# Allegro board A733_PRO2_AXP318_LPDDR4_4X_200BALL_32X1_V1_1.brd (continued)
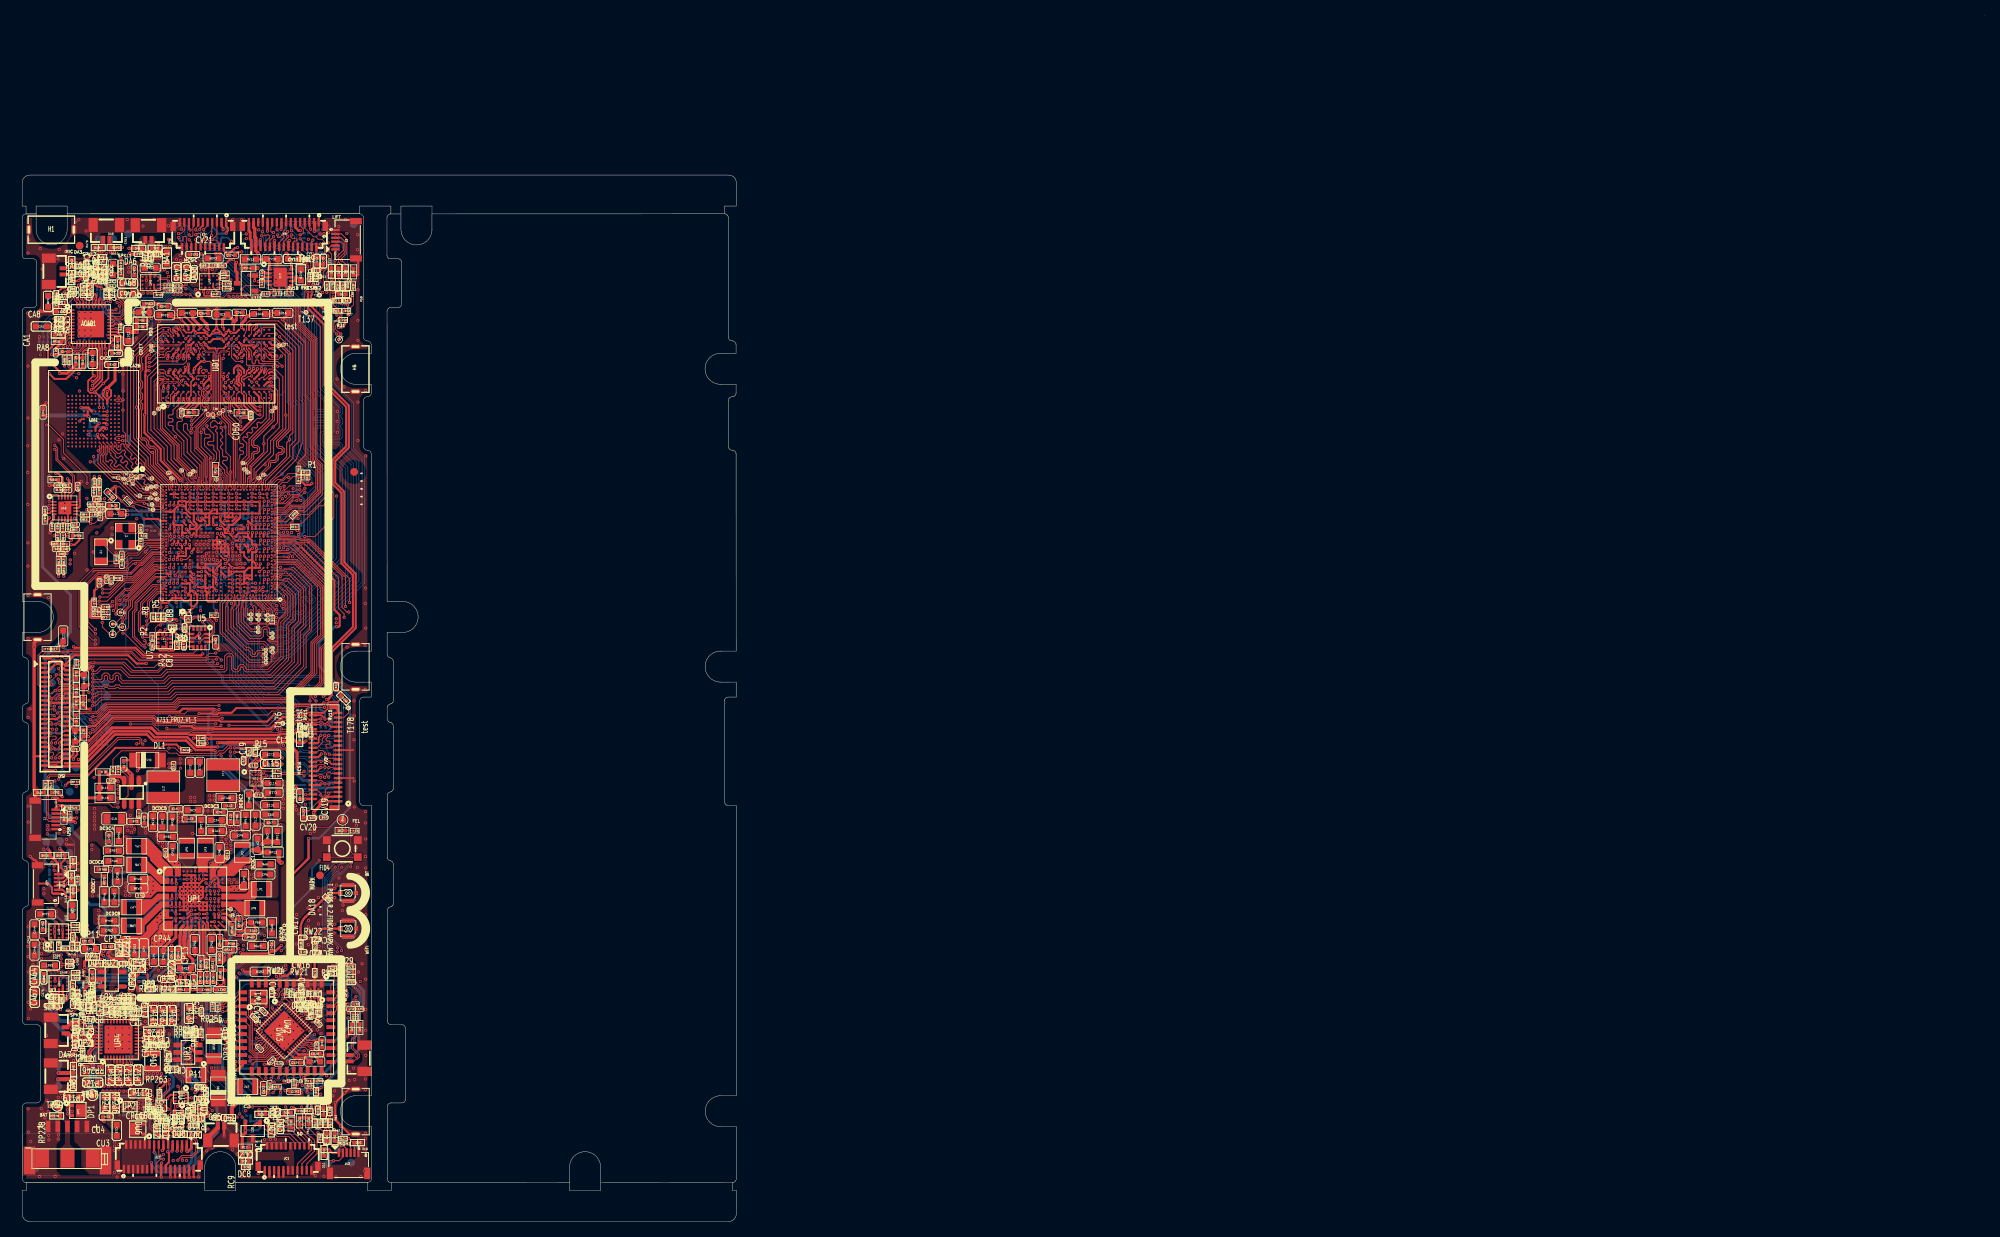
[diagram p0: board, top side]
## Routing (per net, layer and track width the routed paths; a pad name or vN(x,y) marks a point on that pad's centre or on a via; arc(x,y) is an arc through that point) (continued)
CPUS-TX: length 64.3
  TOP w0.076: 17.04,84.31 17.44,84.31 17.53,84.4 U1.L36
  TOP w0.102: UU1.4 12.71,30.31 12.33,29.93 v1(12.16,29.93) 12.16,29.77 11.9,29.5 11.9,29.4 11.39,28.89 RU7.1 ; v1(12.59,80.14) 12.69,80.23 12.69,80.25 13.29,80.85 13.58,80.85 17.04,84.31
  L4 w0.102: v1(12.16,29.93) 12.07,29.93 11.92,30.09 11.92,35.05 11.66,35.32 11.66,37.67 11.29,38.04 11.29,41.08 11.11,41.26 11.11,41.28 10.99,41.4 10.99,48.37 12.14,49.52 12.14,52.57 13.33,53.76 13.33,56.5 14.28,57.45 14.28,57.97 14.22,58.04 14.22,62.25 14.57,62.61 14.57,78.14 12.59,80.12 v1(12.59,80.14)
  BOTTOM w0.102: TP43.1 12.59,80.48 v1(12.59,80.14)
CPUX-RX: length 4.9
  TOP w0.102: U1.1W3 30.62,90.77 v1(30.71,90.85)
  BOTTOM w0.102: v1(30.71,90.85) 30.71,91.77 31.2,92.26 32.25,92.26 TP38.1 32.43,92.95 RA4.2
CPUX-TCK: length 128.6
  TOP w0.076: U1.AE2 32.17,90.02 32.4,90.24 32.69,90.24 32.99,89.94 34.28,89.94 34.58,90.23 34.67,90.23
  TOP w0.102: R57.2 39.7,120.17 39.7,119.2 40.04,118.86 40.04,118.38 40.7,117.71 40.7,117.7 R60.2 40.99,117.41 40.99,116.79 40.16,115.96 40.16,114.9 v1(40.56,114.5) ; v1(39.52,93.59) 39.25,93.59 36.87,91.21 35.72,91.21 v1(35.71,91.2) 35.63,91.2 35.47,91.03 35.44,91.03 35.25,90.84 35.25,90.82 34.67,90.23 ; R61.2 37.73,13.85 37.4,14.18 37.26,14.18 R64.2 37.19,14.66 v1(37.29,14.77)
  L3 w0.102: v1(37.29,14.77) 37.29,16.08 37.93,16.71 37.93,19.14 39.94,21.14 39.94,33.5 40.64,34.2 v1(40.64,34.79) ; v1(39.52,93.59) 39.17,93.24 39.17,92.7 42.96,88.91 42.96,76.71 39.49,73.24 39.49,70.24 41.79,67.94 41.79,47.89 41.22,47.32 v1(41.22,45.72)
  L4 w0.102: v1(39.52,93.59) 39.52,93.59 39.52,97.01 38.25,98.29 38.25,112.19 v1(40.56,114.5)
  BOTTOM w0.102: v1(41.22,45.72) 41.22,45.69 40.7,45.17 40.55,45.17 39.36,43.99 39.36,35.85 40.43,34.79 v1(40.64,34.79) ; R32.2 35.96,90.94 v1(35.71,91.2) 35.78,91.27 TP39.1
CPUX-TDI: length 8.3
  TOP w0.114: v1(30.66,89.91) 30.66,89.76 30.62,89.73 U1.1U3
  BOTTOM w0.102: v1(30.66,89.91) 30.66,90.03 31.12,90.48 33.27,90.48 33.28,90.5 33.29,90.5 33.5,90.7 33.5,90.72 33.79,91.01 33.98,91.01 34.18,91.21 R30.2 35,91.6 34.44,92.16 TP36.1 34.91,93.05 RA2.2
CPUX-TDO: length 4.1
  TOP w0.114: U1.1U2 31.12,89.72 31.22,89.81 v1(31.22,89.91)
  BOTTOM w0.102: RA1.2 33.43,90.17 R33.2 32.77,90.18 TP40.1 32.01,90.31 31.51,90.31 31.22,90.01 v1(31.22,89.91)
CPUX-TMS: length 128.1
  TOP w0.102: TP37.1 40.85,114.28 v1(41.08,114.51) 41.02,114.51 40.91,114.62 40.91,114.65 40.71,114.86 40.67,114.86 40.37,115.16 40.37,115.54 R31.2 41.15,116.54 41.19,116.58 41.19,117.12 R59.2 41.56,117.68 41.69,117.8 42.26,117.8 42.73,118.27 42.73,119.73 R58.2 ; U1.AE1 32.82,89.76 34.36,89.76 34.65,90.05 36.02,90.05 38.31,92.34 38.8,92.34 v1(39.53,93.06) ; R62.2 39.73,13.33 v1(39.64,13.42) R63.2
  L3 w0.102: v1(39.64,13.42) 39.64,20.56 40.14,21.06 40.14,33.09 41.07,34.02 v1(41.07,34.2) ; v1(41.68,46.38) 41.68,47.22 42,47.54 42,68.03 39.69,70.33 39.69,73.15 43.16,76.62 43.16,89.43 v1(39.53,93.06)
  L4 w0.102: v1(39.53,93.06) 39.88,93.41 39.88,96.95 38.45,98.37 38.45,111.88 v1(41.08,114.51)
  BOTTOM w0.102: v1(41.07,34.2) 40.65,34.2 39.16,35.69 39.16,44.16 40.38,45.38 40.55,45.38 40.77,45.6 40.77,45.86 41.1,46.19 41.49,46.19 v1(41.68,46.38)
CPUX-TX: length 6.5
  TOP w0.102: U1.1W4 30.12,90.78 v1(30.18,90.83)
  BOTTOM w0.102: TP35.1 32.43,95.02 RA3.2 32.09,93.95 32.09,92.72 31.8,92.44 31.13,92.44 30.46,91.78 30.46,91.11 v1(30.18,90.83)
CPVDD: length 2.1
  TOP w0.203: UA1.22 11.95,114.38 v1(12.09,114.25)
  TOP w0.305: RA15.2 12.32,114.02 v1(12.09,114.25)
  BOTTOM w0.203: CA13.1 11.98,114.36 v1(12.09,114.25)
D+: length 12.9
  TOP w0.112: v1(20.68,7.91) 20.59,8 20.59,8.16 20.7,8.27 21.94,8.27 22.59,8.92 22.59,10.45 21.8,11.24 DU7.2 21.78,11.26 21.29,11.75 20.8,11.75 20.61,11.94 LU1.2 20.61,12.24 RU12.1 ; JU1.16 17.61,8.5 17.74,8.37 17.92,8.37 v1(18.2,8.65)
  L4 w0.112: v1(18.2,8.65) 18.37,8.48 19.04,8.48 19.13,8.57 20.24,8.57 20.51,8.3 20.51,8.08 v1(20.68,7.91)
D-: length 12.7
  TOP w0.112: JU1.15 17.31,7.54 17.82,8.04 v1(18.2,8.04) ; v1(20.07,7.91) 20.34,8.18 20.34,8.26 20.6,8.51 21.84,8.51 22.35,9.02 22.35,10.35 22.04,10.66 21.36,10.66 DU8.2 19.78,12.24 LU1.3 19.68,12.25 RU11.1
  L4 w0.112: v1(18.2,8.04) 18.37,8.21 19.15,8.21 19.25,8.31 20.13,8.31 20.24,8.19 20.24,8.08 v1(20.07,7.91)
DC8SET: length 4.5
  TOP w0.102: v1(23.7,42.65) 23.7,43.05 UP1.E11
  BOTTOM w0.254: v1(23.7,42.65) 23.7,42.95 RP57.1
  BOTTOM w0.305: RP57.1 23.85,43.01 24,43.17 25.85,43.17 26.63,42.39 RP55.2
DCDC1: length 19
  TOP w0.114: v1(26.69,44.12) 26.64,44.17
  TOP w0.178: 37.59,23.37 36.74,23.37 UW3.33
  TOP w0.305: CW9.1 38.08,23.37 v1(38.04,23.41) 38.01,23.37 37.59,23.37
  L3 w0.381: v1(43.59,30.97) 43.59,27.7 42.16,26.26 v1(42.02,26.26)
  BOTTOM w0.254: v1(34.23,20.7) 37.19,23.66 37.79,23.66 v1(38.04,23.41)
  BOTTOM w0.305: v1(42.02,26.26) 42.02,25.01 40.42,23.41 CW10.1 38.05,23.41 v1(38.04,23.41)
  vias: v1(27.01,43.7) v1(27.32,44.12) v1(27.7,43.71) v1(28.82,45.67) v1(29.36,45.73) v1(29.92,46.45) v1(29.93,45.78) v1(33.92,33.06) v1(33.92,32.52)
DCDC2: length 9.4
  TOP w0.178: U1.1P9 27.96,87.85 v1(28.02,87.91)
  TOP w0.203: v1(20.87,90.41) 20.87,90.11 U1.1V22
  TOP w0.254: U1.1R12 26.12,88.37 v1(25.71,88.79) ; U1.1U10 27.12,88.9 v1(27.15,88.87) ; U1.1G13 26.16,84.35 v1(26.18,84.38) ; U1.1V18 22.48,89.21 22.48,88.49 v1(22.4,88.41)
  BOTTOM w0.254: v1(27.15,88.87) 26.92,88.64 CM7.1 ; v1(26.18,84.38) 25.99,84.38 25.64,84.03 C76.1 25.64,83.2 R75.1 ; C75.1 28.52,87.94 v1(28.55,87.91) 28.28,87.64 C129.1 27.62,87.39 C68.1 ; C58.1 27.91,88.01 v1(28.02,87.91)
  BOTTOM w0.305: C74.1 20.79,90.33 v1(20.87,90.41)
  vias: v1(27.1,87.5) v1(27.1,86.86) v1(27.15,85.87) v1(27.69,84.83) v1(27.64,53.73) v1(27.74,54.85) v1(27.74,54.29) v1(27.78,53.18) v1(28.04,85.92) v1(28.04,85.39) v1(28.19,84.88) v1(28.28,54.28) v1(28.2,53.76) v1(28.34,53.2) v1(28.73,84.88)
DCDC3:
  vias: v1(23.22,85.8) v1(23.19,84.93) v1(23.39,53.59) v1(23.39,52.99) v1(23.65,85.44) v1(23.75,86.2) v1(23.98,53.6) v1(23.95,52.99) v1(24.16,85.44) v1(24.56,53.6) v1(24.57,52.98) v1(24.66,85.42) v1(25.1,86.36) v1(25.17,85.29) v1(25.12,53.59)
DCDC4:
  vias: v1(13.52,51.01) v1(13.62,50.46) v1(14.08,51.01) v1(14.1,50.21) v1(14.49,50.61) v1(22.94,88.41) v1(23.44,88.39) v1(23.95,88.39)
DCDC5:
  vias: v1(16.96,53.57) v1(16.96,52.95) v1(17.48,53.55) v1(17.48,52.93) v1(18.03,53.54) v1(18.02,52.95) v1(18.57,53.57) v1(18.57,52.95) v1(22.44,87.37) v1(22.67,86.42) v1(22.95,87.37) v1(23.46,87.37) v1(23.97,87.35) v1(24.1,87.86)
DCDC6: length 10.5
  TOP w0.254: U1.1Y14 24.74,90.85 v1(24.71,90.88) 24.62,90.79 U1.1W15 24.62,89.95 v1(24.66,89.91) 24.73,89.85 U1.1V14 ; UP1.C2 v1(19.32,43.69) ; v1(11.23,93.03) 11.24,93.03 CD35.1
  BOTTOM w0.381: v1(19.32,43.69) 18,45.01 12.35,45.01
  vias: v1(11.36,45.78) v1(11.36,45.22)
DCDC7: length 73.6
  TOP w0.254: UD1.R12 27.3,115.77 27.2,115.87 v1(27.2,115.89) ; UD1.K10 24.24,113.45 24.64,113.86 v1(25.7,113.86) 26,113.55 UD1.N10 ; UD1.H8 22.75,111.42 v1(22.7,111.37) ; RD1.2 22.02,104.56 v1(22.02,104.85) 22.13,104.85 22.75,105.47 UD1.H1 ; UD1.A9 17.7,112.65 v1(17.64,112.59) ; UD1.U8 28.6,111.77 v1(28.31,111.48) ; UD1.K12 23.83,115.28 v1(23.83,115.39) ; U1.1W11 26.21,90.35 v1(26.14,90.42) ; UD1.N3 26,107.76 v1(26.24,107.52) ; UD1.U5 28.6,109.87 28.09,110.39 v1(27.86,110.39) 27.64,110.39 27.3,110.05 UD1.R5 ; v1(17.75,108.65) 18.19,108.65 UD1.A4 ; v1(23.83,105.77) 23.84,105.77 24.05,105.98 UD1.K1 ; v1(32.33,108.83) 32.03,108.83 UD1.AB4 ; U1.1W10 27.12,90.37 27.58,90.83 v1(27.58,90.88) ; UD1.N1 26,105.93 v1(26.29,105.63) ; v1(23.04,115.45) 23.04,115.35 UD1.H12 ; RD2.2 27.98,104.52 v1(27.98,105.17) 27.75,105.17 27.35,105.56 27.35,106.2 UD1.R1 ; UD1.F8 21.45,111.49 v1(21.56,111.38) ; v1(25.83,115.46) 26,115.29 UD1.N12 ; UD1.R8 27.31,111.85 v1(27.76,111.4) ; UD1.K3 24.05,107.78 v1(23.82,107.56) ; v1(32.34,112.61) 32.3,112.65 UD1.AB9 ; v1(23.01,110.21) 22.75,109.95 UD1.H5 ; UD1.F5 21.45,110.6 v1(21.44,110.62)
  TOP w0.305: v1(19.31,41.66) 19.32,41.67 UP1.G2
  TOP w0.381: v1(16.64,116.51) 16.41,116.74 CD3.1 16.39,117.32 16.39,118.24 CD55.1 17.53,118.41 CD4.1 ; v1(25.83,115.46) 25.83,116.37 CD1.1 27.2,116.31 v1(27.2,115.89) 27.61,116.3 27.61,117.3 CD5.1 ; v1(23.04,115.45) 22,116.49 CD2.1 23.06,117.21 CD54.1 23.1,116.49 23.83,115.77 v1(23.83,115.39)
  L4 w0.254: v1(17.75,108.65) 18.22,109.12 18.22,112.12 17.75,112.59 v1(17.64,112.59) 17.72,112.68 20.26,112.68 v1(21.56,111.38) ; v1(27.2,115.89) 27.51,116.2 30.9,116.2 32.16,114.94 32.16,112.89 32.34,112.72 v1(32.34,112.61) 31.78,112.05 31.78,109.39 v1(32.33,108.83)
  BOTTOM w0.254: CD8.1 32.33,108.83 v1(32.33,108.83) ; v1(16.64,116.51) 16.77,116.38 16.77,113.69 17.64,112.83 v1(17.64,112.59) 17.66,112.61 CD6.1 ; 21.4,111.68 21.4,111.55 v1(21.56,111.38) ; v1(25.7,113.86) 25.51,114.04 CD15.1 ; CD10.1 32.58,112.37 v1(32.34,112.61)
  BOTTOM w0.381: 9.8,42.06 10.43,41.43 19.08,41.43 v1(19.31,41.66)
  vias: v1(9.06,43.53) v1(9.06,43.02) v1(9.06,42.52) v1(9.06,42.01)
DCDC8: length 8.9
  TOP w0.254: UP1.J2 19.32,40.68 v1(19.28,40.64)
  BOTTOM w0.381: v1(12.01,38.15) 14.73,38.15 17.32,40.74 19.17,40.74 v1(19.28,40.64)
DCDC9: length 1
  TOP w0.254: v1(25.37,41.66) 25.32,41.61 UP1.J14 ; UP1.P12 v1(24.8,38.67)
  vias: v1(26.28,37.49)
DCXO-XIN: length 4.7
  TOP w0.076: U1.Y36 17.99,88 17.9,87.91
  TOP w0.102: Y1.1 14.7,87.84 C61.1 17.83,87.84 17.9,87.91
DCXO-XOUT: length 3.1
  TOP w0.076: 17.84,88.16 18.29,88.16 18.53,88.4 U1.AA36
  TOP w0.102: 17.84,88.16 17.7,88.02 16.25,88.02 R19.1
DDR-PARA-SEL-ADC: length 6.1
  TOP w0.102: v1(19.51,82.35) 19.62,82.47 U1.1D25 ; R2.2 17.55,78.95 v1(17.88,79.28)
  L4 w0.102: v1(19.51,82.35) 19.5,82.35 18.28,81.12 18.28,79.68 v1(17.88,79.28)
  BOTTOM w0.102: R7.1 17.97,79.2 v1(17.88,79.28)
DDR-PARA-SEL-GPIO: length 5
  TOP w0.102: R1.1 36.29,96.65 R6.2 35.45,96.48 34.28,96.48 33.55,95.75 32.93,95.75 32.17,95 U1.AU2
DECAP2: length 3
  TOP w0.102: UW3.4 31.9,27.22 31.9,29.05 CW11.2
DLDO1: length 100.1
  TOP w0.254: v1(29.64,90.83) 29.62,90.81 U1.1W5
  TOP w0.381: UP1.R3 19.82,36.67 v1(19.34,36.18) 19.11,36.18 18.21,35.28 CP41.2
  L3 w0.254: v1(33.41,34.94) 33.12,34.64 32.91,34.64 27.79,29.53 24.52,29.53 23.68,30.36 20.25,30.36 18.78,31.84 v1(18.55,31.84)
  L4 w0.254: v1(29.64,90.83) 29.64,91.19 30.71,92.26 32.9,92.26 34.41,90.74 34.63,90.74 35.07,90.3 37.24,90.3 39.12,88.42 39.12,75.31 38.14,74.33 38.14,69.92 38.15,69.92 38.15,69.72 34.77,66.34 34.77,64.24 33.12,62.58 33.12,61.37 33.66,60.82 33.66,60.4 34.64,59.42 34.64,57.97 36,56.62 36,53.34 38.26,51.08 38.26,49.59 38.27,49.58 v1(38.27,46.62)
  L4 w0.381: v1(18.55,31.84) 18.55,31.9 18.79,32.14 18.79,35.86 19.11,36.18 v1(19.34,36.18)
  BOTTOM w0.254: v1(29.64,90.83) 29.66,90.85 C49.1 ; v1(33.41,34.94) 34.37,35.9 34.37,39.99 37.37,42.99 37.37,45.56 38.27,46.46 v1(38.27,46.62)
DLDO5: length 44.6
  TOP w0.229: v1(21.86,39.64) 21.79,39.64 UP1.N6
  TOP w0.381: v1(16.18,33.25) 15.61,33.25 CP46.2
  TOP w0.508: v1(27.57,15.19) 27.03,14.65 R40.1
  L3 w0.381: v1(27.57,15.19) 26.23,16.52 26.23,20.85 28.18,22.8 28.18,25.16 27.02,26.31 v1(22.4,26.31)
  L4 w0.381: v1(16.18,33.25) 16.16,33.24 16.15,33.24 16.14,33.22 15.99,33.22 15.52,32.75 15.52,31.41 16.14,30.79 16.14,30.43 17.37,29.2 19.51,29.2 21.22,27.48 21.22,26.75 21.65,26.31 v1(22.4,26.31)
  BOTTOM w0.279: v1(21.86,39.64) 21.86,39.64 22.08,39.64 22.35,39.37 22.35,38.8 22.82,38.33
  BOTTOM w0.381: 22.82,38.33 22.82,36.6 21.98,35.76 21.98,35.75 19.99,33.76 17.41,33.76 16.94,33.29 16.25,33.29 16.21,33.25 v1(16.18,33.25)
DLDO6: length 11.5
  TOP w0.152: v1(21.84,40.17) 21.78,40.17 21.32,39.72 UP1.M6
  TOP w0.203: UP1.M6 21.46,39.8 21.46,39.81 21.69,40.04 21.71,40.04 v1(21.84,40.17)
  TOP w0.381: v1(22.23,31.87) 22.13,31.77 CP48.2
  L4 w0.305: v1(21.84,40.17) 21.98,40.17 22.32,39.83 22.32,38.63 22.38,38.57
  L4 w0.457: 22.38,38.57 22.85,38.1 22.85,34.66 23.03,34.48 23.03,32.1 22.8,31.87 v1(22.23,31.87)
DP-REXT: length 1.2
  TOP w0.114: U1.1A19 22.64,81.37 23.05,81.37 v1(23.19,81.23)
  BOTTOM w0.102: R68.2 23.29,81.13 v1(23.19,81.23)
DXLDO-OUT: length 1.2
  TOP w0.254: v1(21.17,89.34) 21.21,89.3 21.21,89.27 U1.1T21
  BOTTOM w0.254: v1(21.17,89.34) 21.21,89.34 21.27,89.28 C41.1
ELDO1: length 1.9
  TOP w0.254: UP1.R13 24.82,38.14 25.47,37.49 CP51.2
ELDO6: length 82.1
  TOP w0.254: U1.1M20 22.12,86.73 21.87,86.48 v1(21.87,86.31) ; v1(22.15,82.39) 22.08,82.39 U1.1D21
  TOP w0.381: CP58.2 28.65,36.91 v1(27.67,36.91) 27.58,36.99 27.49,36.99 RP56.1
  L4 w0.254: v1(22.15,82.39) 22.07,82.39 21.7,82.77 21.7,83.84 22.02,84.16 22.02,85.99 21.87,86.14 v1(21.87,86.31)
  L4 w0.381: v1(15.04,30.96) 15.04,30.97 14.5,31.51 14.5,32.2 14.88,32.58 14.88,32.97 15.34,33.42 15.34,37.2 15.91,37.77 15.91,40.04 17.43,41.57 17.43,44.6 16.9,45.14 16.9,51.01 16.35,51.56 16.35,53.92 17.54,55.11 17.54,58.79 18.81,60.06 19.44,60.06 19.81,60.43 19.81,62.5 20.77,63.46 21.02,63.71 21.02,76.78 21.5,77.26 21.5,79.58 21.7,79.79 21.7,82.06 21.98,82.33 22.09,82.33 v1(22.15,82.39)
  BOTTOM w0.254: C23.1 21.55,82.24 C22.1 21.77,82.37 21.81,82.37 22.13,82.37 v1(22.15,82.39) 22.28,82.27 22.34,82.27 22.45,82.16 C6.1
  BOTTOM w0.381: v1(27.67,36.91) 27.17,36.91 26.56,36.3 26.56,34.12 26.25,33.81 23.16,33.81 21.81,32.46 18.43,32.46 17.73,31.76 17.18,31.76 16.38,30.96 v1(15.04,30.96)
EMMC-CLK: length 13
  TOP w0.114: RM1.2 13.09,93.57 v1(13.09,93.57) ; v1(9.95,105.03) 9.96,105.03 UM1.M6
  L4 w0.114: v1(13.09,93.57) 10.62,101.51 v1(9.95,105.03)
EMMC-CMD: length 21.7
  TOP w0.076: U1.AL36 18.57,92.42 18.35,92.64 18.06,92.64 17.86,92.44 17.57,92.44
  TOP w0.114: v1(10.48,105) 10.46,105.03 UM1.M5 ; 17.57,92.44 16.82,92.44 T108.1 16.21,93.05 14.84,93.05 12.41,95.48 11.63,95.48 9.25,97.87 9.25,98.67 v1(9.21,98.7)
  L4 w0.114: v1(10.48,105) 10.31,105.17 10.31,105.18 10.1,105.39 9.8,105.39 9.15,104.74 9.15,98.77 v1(9.21,98.7)
  BOTTOM w0.102: RM5.1 10.39,105.1 v1(10.48,105)
EMMC-D0: length 12.2
  TOP w0.076: 17.08,94.56 17.18,94.46 17.33,94.46 17.79,94 U1.AR36
  TOP w0.114: UM1.A3 11.46,99.56 12.01,99.01 12.01,98.75 12.23,98.53 12.41,98.53 12.64,98.76 12.82,98.76 12.96,98.61 12.96,98.43 12.74,98.21 12.74,98.03 12.88,97.88 13.06,97.88 13.29,98.11 13.47,98.11 13.61,97.97 13.61,97.79 13.38,97.56 13.38,97.38 T89.1 14.98,95.78 15.69,95.78 15.82,95.65 15.82,95.47 15.72,95.37 15.72,95.19 15.84,95.06 16.06,95.06 16.14,95.15 16.32,95.15 T103.1 16.83,94.8 17.08,94.56
EMMC-D1: length 12.1
  TOP w0.114: UM1.A4 10.96,99.03 10.78,98.86 10.78,98.13 10.9,98.01 11.08,98.01 11.31,98.25 11.49,98.25 11.63,98.1 11.63,97.92 11.4,97.69 11.4,97.51 11.85,97.06 12.75,97.06 14.22,95.59 T88.1 15.2,94.58 15.51,94.58 15.83,94.26 16.71,94.26 17.08,93.89 T106.1 17.47,93.6 U1.AP37
EMMC-D2: length 13
  TOP w0.076: 17.71,92.89 17.78,92.95 18.33,92.95 U1.AN36
  TOP w0.102: 16.69,93.63 16.91,93.41 16.91,93.32 17.34,92.89 17.43,92.89 17.71,92.89
  TOP w0.114: UM1.A5 10.46,99.18 10.09,98.82 10.09,97.93 11.63,96.39 12.49,96.39 T91.1 13.08,95.74 T107.1 16.67,93.65 16.69,93.63
EMMC-D3: length 12.2
  TOP w0.102: 12.21,99.83 12.21,100.26 UM1.B2
  TOP w0.114: 12.21,99.83 12.21,99.72 12.39,99.54 12.62,99.54 12.72,99.64 12.72,100.21 12.83,100.33 13.08,100.33 13.15,100.25 13.15,100.01 13.5,99.67 14.15,99.02 14.15,98.84 13.98,98.67 13.98,98.49 14.12,98.35 14.3,98.35 14.47,98.52 14.65,98.52 14.79,98.37 14.79,98.19 14.63,98.03 14.63,97.85 14.77,97.7 14.95,97.7 15.12,97.87 15.29,97.87 15.44,97.72 15.44,97.55 15.27,97.38 15.27,97.2 T90.1 16.62,95.86 T102.1 16.86,95.86 17.44,95.27 17.44,95.1 18.14,94.4 U1.AT37
EMMC-D4: length 12.2
  TOP w0.076: 17.7,94.44 17.98,94.16 18.37,94.16 18.57,94.36 U1.AT36
  TOP w0.102: 11.71,99.69 11.71,100.26 UM1.B3
  TOP w0.114: 11.71,99.69 12.31,99.09 12.56,99.09 12.99,99.51 13.17,99.51 13.31,99.37 13.31,99.19 13.19,99.07 13.19,98.89 14.27,97.81 14.27,97.63 14.11,97.47 14.11,97.29 14.25,97.15 14.43,97.15 14.59,97.31 14.77,97.31 14.92,97.17 14.92,96.99 14.75,96.82 14.75,96.64 T94.1 15.86,96.16 16.64,95.38 16.76,95.38 T101.1 17.7,94.44
EMMC-D5: length 12.1
  TOP w0.076: 17.27,94.22 17.66,93.83 18.06,93.83 18.08,93.84 18.27,93.84 18.51,93.6 U1.AP36
  TOP w0.102: 11.21,99.78 11.21,99.78 11.21,100.26 UM1.B4
  TOP w0.114: 17.27,94.22 17.09,94.22 16.81,94.5 16.16,94.5 T100.1 15.79,94.87 15.43,94.87 T93.1 14.05,96.21 12.64,97.63 12.46,97.63 12.21,97.38 11.98,97.38 11.86,97.5 11.86,97.68 12.12,97.93 12.12,98.15 11.44,98.83 11.44,99.11 11.21,99.34 11.21,99.78
EMMC-D6: length 12.4
  TOP w0.102: UM1.B5 10.71,100.26 10.71,99.83 10.7,99.82
  TOP w0.114: U1.AN37 17.45,93.2 T105.1 17.41,93.23 16.62,94.02 15.6,94.02 15.36,94.26 15.09,94.26 T95.1 13.62,95.71 12.61,96.72 11.75,96.72 10.43,98.04 10.43,98.81 10.7,99.08 10.7,99.82
EMMC-D7: length 14
  TOP w0.076: U1.AM36 17.92,92.8 17.86,92.75
  TOP w0.102: UM1.B6 10.21,100.26 10.21,99.82 10.17,99.78 ; 17.86,92.75 17.81,92.7 17.27,92.7 16.63,93.33 T104.1
  TOP w0.114: 10.17,99.78 10.17,99.78 10.17,99.29 9.77,98.89 9.77,97.8 11.63,95.95 T92.1 15.01,93.33 T104.1
EMMC-DS: length 17.8
  TOP w0.102: v1(19.02,92.41) 19.12,92.51 U1.1AD26
  TOP w0.114: v1(10.94,103.45) 10.89,103.51 UM1.H5
  L4 w0.114: v1(19.02,92.41) 17.8,92.41 12.11,98.09 12.11,102.36 11.02,103.45 v1(10.94,103.45)
  BOTTOM w0.114: v1(10.94,103.45) 10.93,103.45 10.87,103.52 T99.1 9.88,103.54 RM6.1
EMMC-RST: length 18
  TOP w0.102: U1.1AD25 19.62,92.49 v1(19.56,92.43)
  TOP w0.114: v1(10.94,104.49) 10.93,104.51 UM1.K5
  L4 w0.114: v1(10.94,104.49) 11.06,104.49 12.53,103.02 12.53,98.47 18.08,92.92 19.06,92.92 v1(19.56,92.43)
  BOTTOM w0.102: v1(10.94,104.49) 11.04,104.6 RM4.1
ENN: length 49.3
  TOP w0.102: UL1.A1 29.18,58.49 29.18,59.75 29.76,60.32 29.76,60.55 29.85,60.64 29.86,60.64 RL7.1 30.22,61 33.25,61 33.38,60.86 33.89,60.86 34.17,60.58 v1(34.22,60.58)
  TOP w0.114: v1(31.55,93.87) 31.55,93.42 U1.1AE1
  L4 w0.102: v1(31.55,93.87) 32.14,93.28 32.75,93.28 34.07,91.96 36.55,91.96 39.88,88.63 39.88,75.06 38.84,74.02 38.84,69.42 35.76,66.34 35.76,62.11 v1(34.22,60.58)
ENP: length 48.9
  TOP w0.102: UL1.B1 28.98,58.29 28.98,59.83 29.21,60.06 RL5.1 29.27,60.38 29.54,60.65 29.54,61.09 29.67,61.21 33.32,61.21 33.46,61.07 33.9,61.07 33.94,61.11 v1(34.17,61.11)
  TOP w0.114: v1(31.75,92.93) 31.61,92.79 31.61,92.37 U1.1AC1
  L4 w0.102: v1(34.17,61.11) 35.48,62.42 35.48,66.34 38.63,69.5 38.63,74.11 39.67,75.15 39.67,88.55 36.44,91.78 34,91.78 32.85,92.93 v1(31.75,92.93)
FEL: length 56
  TOP w0.102: v1(37.83,50.88) 39.62,50.88 40.57,51.83 TP49.1 41.66,51.47 D12.2 41.67,50.43 R34.2
  TOP w0.114: v1(31.75,90.85) 31.75,90.83 31.62,90.71 U1.1W1
  L4 w0.102: v1(37.83,50.88) 37.83,51.05 35.72,53.16 35.72,53.49 35.63,53.58 35.63,56.32 33.08,58.87 33.08,60.83 32.57,61.34 32.57,63.92 33.83,65.18 33.83,66.7 37.19,70.06 37.19,74.83 38.2,75.83 38.2,87.58 36.15,89.62 34.34,89.62 33.87,90.09 32.79,90.09 32.03,90.85 v1(31.75,90.85)
FLASH-EN: length 6.8
  TOP w0.102: RV16.1 30.45,119.48 30,119.93 QV1.1 30.79,120.06 CV15.1 31.15,119.51 31.36,119.3 32.48,119.3 32.64,119.46 RV19.2 32.64,120.07 v1(32.51,120.21) UV1.5
  BOTTOM w0.102: v1(32.51,120.21) 32.25,120.46 RV20.2
FLASH-MODE: length 36.9
  TOP w0.102: U1.AR2 32.21,94 32.36,94.15 33.17,94.15 33.29,94.28 33.29,94.65 v1(33.31,94.66) ; v1(28.32,120.29) 28.8,120.78 RV15.2
  L3 w0.102: v1(33.31,94.66) 33.45,94.8 33.45,95.02 33.64,95.21 34.02,95.21 35.41,96.6 35.41,96.63 35.44,96.66 35.44,96.81 36.81,98.18 36.81,113.92 32.89,117.84 30.78,117.84 v1(30.61,117.68)
  BOTTOM w0.102: v1(28.32,120.29) 28.43,120.29 30.6,118.12 30.6,117.69 v1(30.61,117.68)
FLED+: length 16.5
  TOP w0.305: UV1.10 34.69,123.77 CV11.1 34.27,124.79 34.12,124.93 v1(34.03,124.93) ; v1(29.56,124.88) 29.56,125.18 29.53,125.21 JV1.30
  TOP w0.356: JV1.30 29.53,126.64 29.4,126.77 29.4,127.62 29.23,127.79 JV1.31
  TOP w0.508: RV14.2 v1(30.35,123.02)
  L4 w0.305: 29.83,124.61 29.83,124.26 30.35,123.73 v1(30.35,123.02) ; 29.83,124.61 30.03,124.41 33.58,124.41 34.03,124.86 v1(34.03,124.93) ; 29.83,124.61 v1(29.56,124.88)
  BOTTOM w0.254: CV13.1 29.92,126.96 T152.1
  BOTTOM w0.305: CV13.1 29.66,125.79 29.66,124.98 v1(29.56,124.88)
FLED-: length 19.3
  TOP w0.305: UV1.7 35.07,121.33 35.2,121.45 35.2,121.55 35.25,121.6 35.25,121.82 v1(35.34,121.91) 35.39,121.91 35.86,121.44 RV18.2
  TOP w0.381: JV1.28 30.13,125.24 30.41,124.96 v1(30.41,124.88) ; QV1.3 27.71,122.47 27.5,122.68 27.5,123.67 27.58,123.75 v1(27.63,123.75)
  TOP w0.406: JV1.28 30.13,126.9 29.99,127.04 29.99,128.12 29.83,128.28 JV1.29
  L3 w0.381: v1(27.63,123.75) 28.25,124.37 29.98,124.37 30.32,124.71 30.32,124.83 30.37,124.88 v1(30.41,124.88) 30.5,124.97 32.5,124.97 35.34,122.12 v1(35.34,121.91)
  BOTTOM w0.102: T151.1 30.35,124.82 v1(30.41,124.88)
GPADC: length 2.1
  TOP w0.076: UP1.L14 25.34,40.17 25.59,39.92 26.76,39.92 T59.1
GPIO1: length 0.6
  TOP w0.102: v1(24.25,40.72) 24.25,40.71 24.25,40.25 UP1.L12
GPIO2: length 0.9
  TOP w0.102: v1(24.23,42.67) 24.32,42.58 UP1.G12
  BOTTOM w0.102: v1(24.23,42.67) 24.21,42.65 T57.1
GPIO3: length 0.8
  TOP w0.102: v1(23.7,43.67) 23.75,43.67 24.1,43.32 24.17,43.32 UP1.E12
GPIOA8-RX: length 14.9
  TOP w0.102: v1(30.08,22.9) 30.56,23.38 30.89,23.38 31.19,23.67 UW3.14 ; UW2.30 35.91,18.14 T113.1 36.11,17.93 v1(36.11,17.56)
  L3 w0.102: v1(30.08,22.9) 29.71,22.53 29.71,21.86 30.18,21.39 30.18,18.7 31.09,17.79 32.1,17.79 32.32,17.58 34.57,17.58 34.76,17.39 35.94,17.39 v1(36.11,17.56)
  BOTTOM w0.178: T129.1 30.06,22.92 v1(30.08,22.9)
GPIOA9-TX: length 11.6
  TOP w0.102: UW3.15 30.93,22.94 v1(30.77,22.94) ; RW33.1 35.01,18.07 ; 35.01,18.07 34.72,18.07 34.67,18.12 T112.1 34.03,17.78 32.61,17.78 32.48,17.91 v1(32.48,18) ; 35.01,18.07 UW2.29
  L3 w0.102: v1(30.77,22.94) 30.77,22.12 30.54,21.9 30.54,18.75 31.21,18.07 32.41,18.07 v1(32.48,18)
GS-INT: length 76.4
  TOP w0.102: v1(33.69,61.43) 33.64,61.48 26.6,61.48 25.86,60.74 25.38,60.74 25.04,60.4 20.4,60.4 19.69,61.11 18.94,61.11 v1(18.9,61.07) ; v1(31.22,92.94) 31.12,92.84 U1.1AC2 ; v1(17.83,76.96) 17.52,76.96 17.21,76.65 17.21,75.35 17.37,75.19 U7.5
  L4 w0.102: v1(18.9,61.07) 18.23,61.75 18.23,66.99 19.38,68.14 19.38,75.99 18.41,76.96 v1(17.83,76.96) ; v1(33.69,61.43) 33.52,61.59 33.52,62.58 35.1,64.16 35.1,66.25 38.43,69.59 38.43,74.22 39.47,75.26 39.47,88.46 36.38,91.55 33.97,91.55 32.93,92.59 31.61,92.59 31.27,92.94 v1(31.22,92.94)
  BOTTOM w0.102: R44.1 18.01,77.14 v1(17.83,76.96)
HBIAS: length 2.7
  TOP w0.203: UA1.2 5.94,117.18 5.83,117.29 5.44,117.29 CA27.1 5.32,117.57 4.92,117.97 v1(4.92,117.99)
  BOTTOM w0.203: RA30.2 5.1,117.75 4.92,117.93 v1(4.92,117.99)
HP-DET: length 94.1
  TOP w0.102: v1(7.18,44.67) 7.13,44.62 RA76.1
  L4 w0.102: v1(8.14,121.2) 7.55,121.78 5.23,121.78 3.53,120.08 3.53,112.08 3.11,111.66 3.11,107.83 1.89,106.62 1.89,88.41 5.64,84.66 5.76,84.66 6.46,83.95 6.46,75.48 6.27,75.28 6.27,74.01 7.22,73.06 8.21,73.06 9.49,71.77 9.49,61.17 6.48,58.16 6.48,54.04 4.76,52.31 v1(4.76,50.1)
  BOTTOM w0.102: RA12.2 9.66,120.9 RA14.2 9.66,120.92 9.99,121.24 9.99,121.97 9.79,122.17 8.61,122.17 8.14,121.7 v1(8.14,121.2) ; v1(4.76,50.1) 5.04,49.82 5.91,49.82 6.77,48.96 6.77,45 7.1,44.67 v1(7.18,44.67)
HP-DET-1: length 3.6
  TOP w0.254: RA76.2 6.54,43.72 DA14.2 6.11,43.9 v1(5.85,43.64) 5.52,43.3 JA7.4
  BOTTOM w0.254: v1(5.85,43.64) 5.93,43.71 TP97.1
HPOUTFB-1: length 78.8
  TOP w0.254: DA17.2 5.51,46.73 5.03,46.24 5.03,45.63 5.43,45.22 5.43,44.46 5.27,44.3 JA7.2
  TOP w0.305: v1(4.85,48.11) 5.51,47.44 DA17.2
  L4 w0.203: v1(2.7,112.77) 1.4,111.48 1.4,87.79 5.85,83.34 5.85,76.15 2.69,72.99 2.69,50.58 3.13,50.14 3.13,50.14 v1(3.26,50.01)
  BOTTOM w0.203: RA32.2 3.28,114.74 CA30.2 3.28,113.52 CA33.1 3.34,113.41 v1(2.7,112.77)
  BOTTOM w0.305: RA36.1 4.84,47.24 RA73.2 4.84,48.1 v1(4.85,48.11) 4.9,48.16 TP98.1 4.8,49.07 4.06,49.81 3.46,49.81 v1(3.26,50.01)
HPOUTFB-2: length 123.8
  TOP w0.165: v1(23.78,13.58) 24.04,13.83 24.04,14.19 23.76,14.47 UU2.A2
  TOP w0.203: UA1.18 9.86,112.84 10.03,112.67 10.03,108.8 9.13,107.9 9.08,107.9 v1(9.05,107.87)
  L3 w0.254: v1(4.11,45.85) 4.01,45.85 3.49,45.33 3.49,44.3 3.84,43.94 3.84,41.78 3.3,41.24 3.3,36.67 3.57,36.39 3.57,33.63 2.53,32.59 2.53,26.99 4.57,24.95 4.57,24.46 6.99,22.04 7.6,22.04 10.46,19.18 13.61,19.18 15.29,17.5 16.86,17.5 18.04,16.32 19.5,16.32 20.63,15.19 20.63,14.52 21.87,13.28 22.89,13.28 23.19,13.58 v1(23.78,13.58)
  L4 w0.254: v1(9.05,107.87) 8.83,107.87 8.4,107.44 8.4,106.98 6.64,105.22 6.64,94.28 7.55,93.37 7.55,75.17 10.37,72.35 10.37,60.55 7.87,58.05 7.87,51.22 6.84,50.19 6.84,48.41 4.49,46.06 4.48,46.06 4.28,45.86 4.12,45.86 v1(4.11,45.85)
  BOTTOM w0.305: v1(4.11,45.85) 4.34,46.08 RA73.1
HPOUTL-1: length 6.1
  TOP w0.305: v1(3.32,48.07) 3.32,48.04 3.6,47.77 DA15.2 4,46.81 4.03,46.81 4.64,46.21 JA7.1
  BOTTOM w0.254: TP101.1 3.32,48.77 v1(3.32,48.07)
  BOTTOM w0.305: RA74.2 3.45,47.54 RA33.1 3.46,47.91 3.32,48.04 v1(3.32,48.07)
HPOUTL-2: length 118.1
  TOP w0.203: v1(9.05,108.41) 9.2,108.41 9.72,108.93 9.72,112.54 9.46,112.8 UA1.17
  TOP w0.254: UU3.3 19.12,16.35 18.74,15.98 v1(18.74,15.89)
  L3 w0.254: v1(3.84,46.35) 3.08,45.59 3.08,44.07 3.49,43.66 3.49,41.93 2.94,41.39 2.94,36.51 3.21,36.24 3.21,33.78 2.18,32.74 2.18,26.77 4.11,24.84 4.11,24.41 6.97,21.55 7.53,21.55 10.29,18.78 13.47,18.78 15.11,17.14 16.71,17.14 17.96,15.89 v1(18.74,15.89)